# Altium PCB DesignProject_V1_0.PcbDoc (part 2 of 2)
Units mm, origin at the board's own origin, x right, y up, seen from the top; angles counter-clockwise.
Board outline 86.3 x 50.27 mm, 4 copper layers (Top Layer, MID 1, MID 2, Bottom Layer), stack 0.651 mm thick; 110 components, 93 nets, 452 pads, 182 vias.
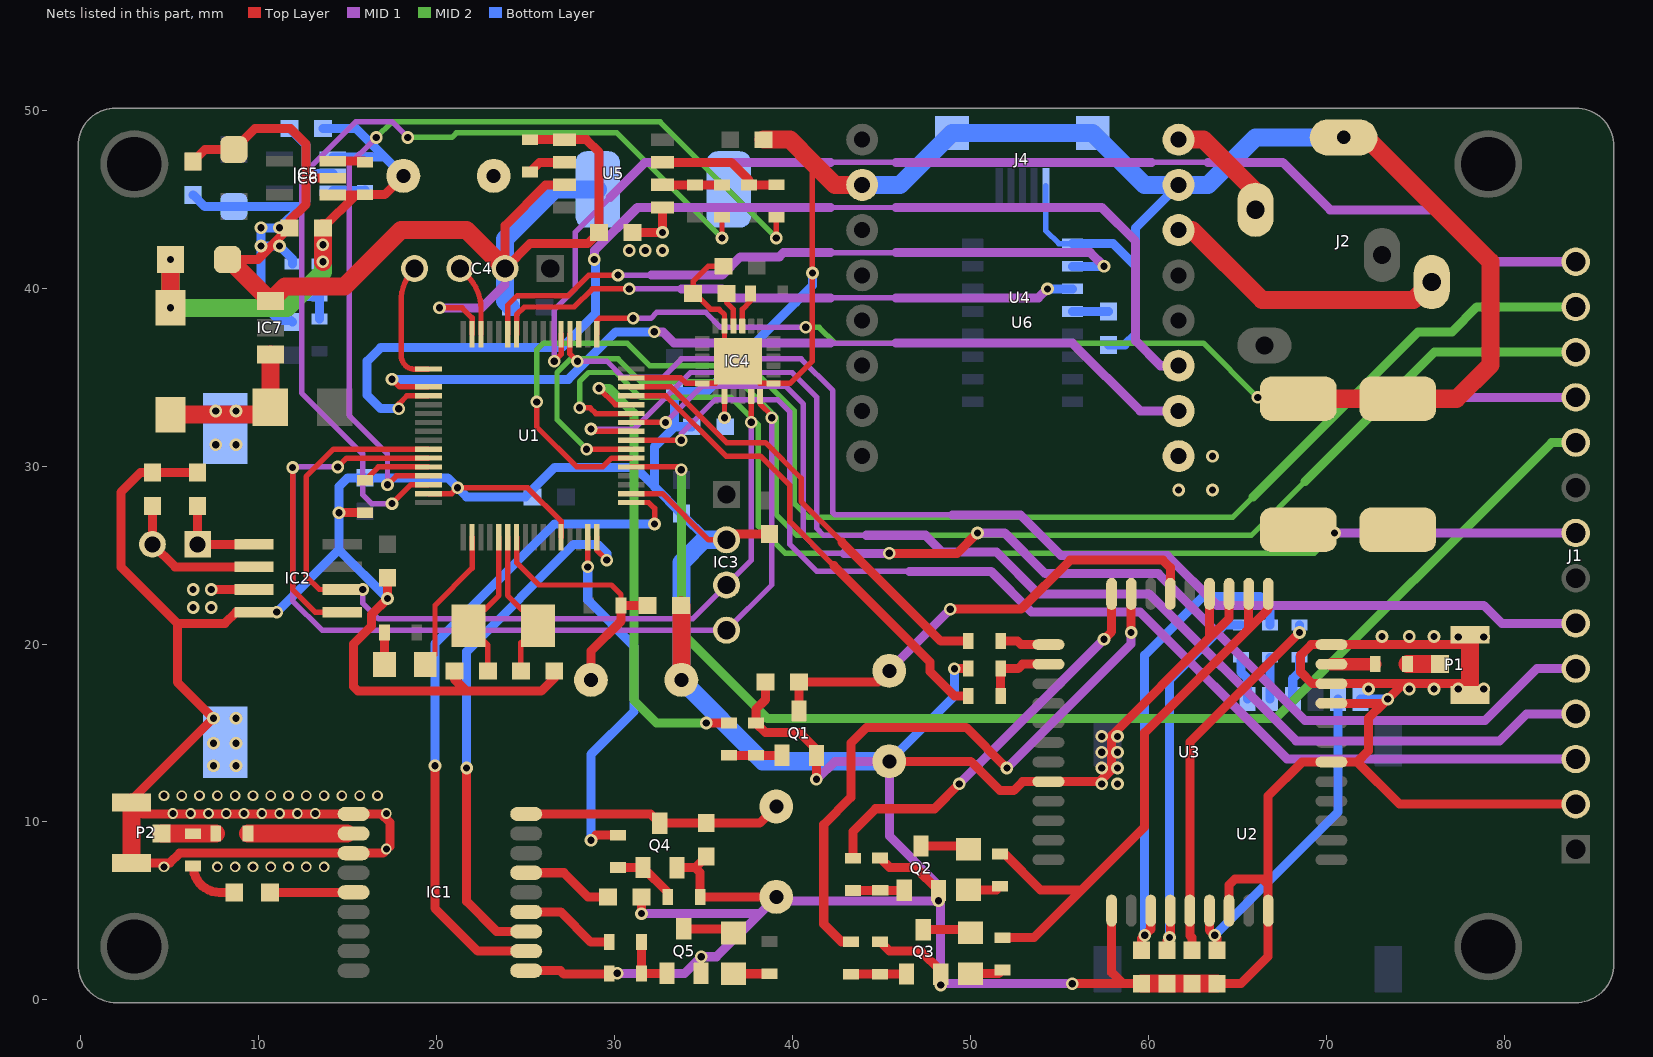
[diagram p4: the nets of this part, all layers, seen from the top]

## Via types
v1: diameter 0.711, hole 0.406, Top Layer to Bottom Layer, 51 vias
v2: diameter 0.711, hole 0.406, Top Layer to MID 1, 41 vias
v3: diameter 0.711, hole 0.406, Top Layer to MID 2, 34 vias
v4: diameter 0.6, hole 0.4, Top Layer to Bottom Layer, 32 vias
v5: diameter 0.711, hole 0.406, MID 2 to Bottom Layer, 14 vias
v6: diameter 0.711, hole 0.406, MID 1 to Bottom Layer, 4 vias
v7: diameter 0.711, hole 0.406, MID 1 to MID 2, 4 vias
v8: diameter 1.3, hole 1.3, Top Layer to Bottom Layer, 1 vias
v9: diameter 1.5, hole 1.5, Top Layer to Bottom Layer, 1 vias

## Nets (pads, with @x,y where several pads share a name; then routed paths per layer and width w, separated by ;. In a path a pad name is that pad's centre, name@x,y a point inside that pad or via, vN(x,y) a via of type N, cw(c..) or ccw(c..) an arc to the next point about the centre after c; other vN are vias at no path point) (continued)
GND: BT1.2 C1.1 C2.1 C3.1 C4.2 C5.1 C6.1 C7.1 C8.1 C9.1 C10.2 C11.2 C12.2 C13.2 C14.2 C15.2 C16.2 C17.1 C18.1 C19.1 C20.2 C21.1 C22.1 C23.1 C24.1 C25.1 C26.2 C27.2 C28.2 C29.2 C30.1 C31.2 C32.2 C33.2 C34.1 C35.2 C36.2 IC1.1 IC1.10 IC1.12 IC2.4 IC3.2 IC4.1 IC4.11 IC4.18 IC4.25 IC5.2 IC6.2 IC7.1 J1.2 J2.5 J3.2 J4.5 P1.2 P1.3 P2.2 P2.3 Q1.2 Q2.2 Q3.2 Q4.2 Q5.2 R2.1 R5.2 R11.2 R14.1 R19.2 R20.2 R22.2 R25.2 R32.1 SW1.2 SW2.2 SW3.2 U1.12 U1.18 U1.31 U1.47 U1.63 U2.5 U3.8 U3.13 U3.19 U3.21 U3.27 U3.30 U3.31 U3.33 U3.36 U3.37 U4.7 U4.10 U5.1 U5.3 U6.1 | length 608.7
  Top Layer w0.305: U1.63@19.548,28.449 20.855,28.449 v1(21.184,28.778) 25.121,28.778 26.998,26.901 U1.12@26.998,25.999 ; v2(20.168,38.89) 21.437,38.89 21.998,38.329 U1.47@21.998,37.399 ; U1.18@30.948,28.449 32.689,28.449 35.281,25.857 IC3.2@36.297,25.857 ; U1.31@30.948,34.949 33.714,34.949 34.011,34.653 34.919,34.653 IC4.18@34.932,34.64 34.932,34.653 35.694,34.653 IC4.25@36.932,35.89 ; C23.1@36.119,41.224 35.268,41.224 34.417,40.374 C25.1@34.417,39.7 34.519,39.7 35.412,38.807 35.883,38.807 36.182,38.508 IC4.11@36.182,37.865 36.182,36.64 IC4.25@36.932,35.89 ; 41.123,47.066 v1(41.123,40.843) 41.123,35.89 39.873,34.64 IC4.1@38.932,34.64 38.932,34.653 38.169,34.653 IC4.25@36.932,35.89
  Top Layer w0.508: P2.2@2.859,7.699 5.015,7.699 5.563,8.247 IC1.12@15.342,8.247 16.995,8.247 17.374,8.626 17.374,9.982 16.909,10.447 IC1.10@15.342,10.447 11.184,10.447 5.184,10.447 3.493,10.447 2.859,11.082 P2.3@2.854,11.087 2.854,11.21 v1(7.468,15.824) 5.436,17.856 5.436,21.158 ; C32.2@6.325,47.117 6.985,47.777 C31.2@8.611,47.777 9.805,48.971 11.786,48.971 12.675,48.082 12.675,46.685 ; C21.1@6.579,29.642 C22.1@4.039,29.642 3.378,29.642 2.261,28.524 2.261,24.333 5.436,21.158 ; C35.2@8.255,41.605 8.334,41.605 9.957,41.605 C28.2@11.735,43.383 11.735,43.778 12.675,44.718 12.675,46.685 ; v1(11.024,21.793) IC2.4@9.754,21.793 8.738,21.793 8.103,21.158 5.436,21.158 ; IC6.2@14.175,46.177 13.183,46.177 12.675,46.685 ; v1(14.518,27.381) R2.1@15.977,27.381 ; C36.2@17.247,23.724 v1(17.247,22.555) 16.358,21.666 16.358,21.025 15.342,20.009 15.342,17.602 15.596,17.348 21.692,17.348 ; C1.1@21.011,18.491 21.011,18.029 21.692,17.348 ; IC1.1@25.042,1.647 26.958,1.647 27.153,1.452 29.659,1.452 R25.2@29.706,1.498 v2(30.16,1.498) ; R32.1@25.248,48.336 U5.1@27.197,48.336 28.423,48.336 29.134,47.625 C30.1@29.134,43.129 28.499,42.494 25.248,42.494 C4.2@23.851,41.097 23.851,43.51 26.137,45.796 U5.3@27.197,45.796 ; C2.1@26.619,18.491 26.619,18.085 25.883,17.348 21.692,17.348 ; v2(31.521,4.851) C19.1@31.521,5.791 ; Q4.2@33.523,7.437 34.533,7.437 ; C18.1@35.154,8.057 34.533,7.437 ; IC3.2@36.297,25.857 36.627,26.187 C20.2@38.71,26.187 ; C17.1@38.486,17.856 38.486,16.871 37.947,16.332 R11.2@37.947,15.557 38.489,15.016 40.407,15.016 41.346,14.077 Q1.2@41.346,13.736 v2(41.346,12.395) ; SW3.2@39.091,5.791 R22.2@34.81,5.791 34.81,7.16 34.533,7.437 ; R20.2@44.932,3.268 45.457,2.743 47.219,2.743 48.331,1.631 Q3.2@48.331,1.452 v2(48.331,0.838) ; R19.2@44.932,7.972 45.463,7.442 46.913,7.442 Q2.2@48.204,6.151 v2(48.204,5.568) ; SW2.2@45.441,13.411 50.013,13.411 51.664,11.76 52.426,11.76 52.935,12.269 U3.8@54.382,12.269 57.253,12.269 57.932,12.948 57.932,14.853 63.432,20.353 ; v1(49.099,18.615) R14.1@49.886,18.615 ; v2(55.728,0.914) 58.572,0.914 ; U3.13@57.932,5.019 57.932,1.555 58.572,0.914 ; C12.2@59.624,0.914 58.572,0.914 ; U3.37@63.432,22.819 63.432,20.353 ; C11.2@63.856,0.914 65.202,0.914 66.732,2.444 U3.21@66.732,5.019 66.732,6.471 ; U3.19@64.532,5.019 64.532,6.467 64.872,6.807 66.396,6.807 66.732,6.471 ; U3.36@64.532,22.819 64.532,21.453 63.432,20.353 ; U3.30@70.282,16.669 v1@73.21,16.669 ; P1.3@78.072,17.13 78.072,17.355 77.659,17.769 74.31,17.769 ; P1.2@78.072,20.512 P1.2@78.067,20.517 77.519,19.969 74.651,19.969 U3.33@70.282,19.969 69.144,19.969 68.555,19.38 68.555,18.428 69.213,17.769 U3.31@70.282,17.769 74.31,17.769 ; J1.2@84.016,10.998 74.115,10.998 71.744,13.369 ; 66.732,6.471 66.732,11.461 68.64,13.369 U3.27@70.282,13.369 71.744,13.369 ; 71.744,13.369 72.365,13.99 72.365,15.824 v1@73.21,16.669 ; v1@73.21,16.669 v1(73.446,16.905) 74.31,17.769
  Top Layer w1.016: P2.2@2.859,7.699 P2.3@2.859,11.082 ; C35.2@8.334,41.605 IC7.1@10.668,39.271 11.478,40.081 14.834,40.081 18.009,43.256 21.692,43.256 C4.2@23.851,41.097 ; C3.1@33.731,22.174 33.757,22.149 SW1.2@33.757,17.983 ; C29.2@38.379,48.336 39.853,48.336 41.123,47.066 42.393,45.796 U4.10@43.917,45.796 ; C12.2@59.624,0.914 C13.2@61.034,0.914 C14.2@62.445,0.914 C11.2@63.856,0.914 ; C15.2@68.428,33.782 C16.2@74.016,33.782 77.318,33.782 79.223,35.687 79.223,41.478 72.238,48.463 J2.5@70.968,48.463 ; P1.3@78.072,17.355 78.072,20.396 P1.2@78.072,20.512
  MID 1 w0.508: v2(20.168,38.89) 22.533,38.89 23.851,40.208 C4.2@23.851,41.097 ; v2(30.16,1.498) 33.941,1.498 v2(34.869,2.427) 35.726,2.427 38.151,4.851 ; v2(31.521,4.851) 38.151,4.851 ; v2(41.346,12.395) 41.377,12.395 42.393,13.411 SW2.2@45.441,13.411 45.441,9.22 48.204,6.457 v2(48.204,5.568) ; v2(55.728,0.914) 48.407,0.914 v2(48.331,0.838) 48.331,5.441 v2(48.204,5.568) ; 38.151,4.851 SW3.2@39.091,5.791 39.314,5.568 v2(48.204,5.568)
  Bottom Layer w0.305: J4.5@54.241,45.749 54.241,43.218 54.966,42.494 U6.1@55.737,42.494
  Bottom Layer w0.508: C27.2@6.325,45.237 6.985,44.577 C26.2@8.611,44.577 12.369,44.577 ; v1(11.024,21.793) 14.518,25.288 ; C33.2@11.735,48.971 12.675,48.031 12.675,46.812 ; C10.2@11.913,38.1 11.836,38.176 11.175,38.176 10.135,39.216 v1(10.135,42.367) ; R5.2@11.913,41.351 11.913,41.629 v1(11.175,42.367) v1(10.135,42.367) ; IC5.2@14.175,46.425 13.061,46.425 12.675,46.812 ; v1(17.247,22.555) 17.247,22.559 14.518,25.288 ; C24.1@34.341,32.207 33.376,32.207 ; 35.23,25.857 C8.1@33.757,27.33 32.252,28.835 ; v1(41.123,40.843) 41.123,40.132 40.189,39.199 35.179,34.188 C9.1@33.376,34.188 33.376,32.207 ; SW2.2@45.441,13.411 49.099,17.069 v1(49.099,18.615) ; U6.1@55.737,42.494 58.014,42.494 59.284,41.224 ; C34.1@57.76,36.805 58.674,36.805 59.284,37.414 59.284,41.224 ; U4.7@61.697,45.796 59.284,43.383 59.284,41.224 ; U2.5@71.922,16.905 v1(73.446,16.905) ; v1(10.135,42.367) v1(10.135,43.383) v1(11.175,43.383) 12.369,44.577 ; 12.369,44.577 12.675,44.883 12.675,46.812 ; 14.518,25.288 v1(14.518,27.381) 14.518,28.844 15.011,29.337 C6.1@15.977,29.337 20.625,29.337 v1(21.184,28.778) 21.692,28.27 24.994,28.27 26.645,29.921 31.166,29.921 32.252,28.835 ; 32.252,28.835 32.252,31.083 33.376,32.207
  Bottom Layer w1.016: C7.1@24.181,38.938 23.851,39.268 C4.2@23.851,41.097 23.851,42.748 26.645,45.542 J3.2@29.058,45.542 ; IC3.2@36.297,25.857 35.23,25.857 35.027,25.857 33.757,24.587 SW1.2@33.757,17.983 38.329,13.411 SW2.2@45.441,13.411 ; U4.10@43.917,45.796 46.05,45.796 J4.5@48.971,48.717 J4.5@56.871,48.717 59.792,45.796 U4.7@61.697,45.796 63.348,45.796 66.015,48.463 J2.5@70.968,48.463
  other v1: 7.468,13.157 8.738,13.157 7.468,14.42 8.738,14.427 8.738,15.824 72.365,17.475 74.651,17.475 76.048,17.475 77.404,17.475 78.842,17.475 77.404,20.396 78.842,20.396 73.127,20.425 74.651,20.425 76.048,20.425
  other v2: 57.379,12.141 58.268,12.141 57.379,13.03 58.268,13.03 57.379,13.919 58.268,13.919 57.379,14.808 58.268,14.808
  other v4: 4.684,7.48 7.684,7.48 8.684,7.48 9.684,7.48 10.684,7.48 11.684,7.48 12.684,7.48 13.684,7.48 17.184,8.48 5.184,10.48 6.184,10.48 7.184,10.48 8.184,10.48 9.184,10.48 10.184,10.48 11.184,10.48 12.184,10.48 13.184,10.48 17.184,10.48 4.684,11.48 5.684,11.48 6.684,11.48 7.684,11.48 8.684,11.48 9.684,11.48 10.684,11.48 11.684,11.48 12.684,11.48 13.684,11.48 14.684,11.48 15.684,11.48 16.684,11.48
GPS_RX1: IC1.3 U1.16 | length 30.6
  Top Layer w0.305: U1.16@28.998,25.999 28.998,25.282 v1(29.566,24.714)
  Top Layer w0.508: v1(21.692,13.03) 21.692,5.537 23.382,3.847 IC1.3@25.042,3.847
  Bottom Layer w0.508: v1(21.692,13.03) 21.692,19.573 27.722,25.603 29.058,25.603 29.566,25.095 v1(29.566,24.714)
GPS_TX1: IC1.2 U1.17 | length 38.4
  Top Layer w0.305: U1.17@30.948,27.949 31.919,27.949 32.252,27.616 v1(32.252,26.746)
  Top Layer w0.508: v1(19.914,13.157) 19.914,5.156 22.323,2.747 IC1.2@25.042,2.747
  Bottom Layer w0.508: v1(19.914,13.157) 19.914,20.015 26.645,26.746 v1(32.252,26.746)
LED: LED1.2 U1.2 | length 8.2
  Top Layer w0.305: LED1.2@19.365,18.849 19.914,19.398 19.914,22.174 21.998,24.258 U1.2@21.998,25.999
MISO1: J1.13 U1.22 | length 81.3
  Top Layer w0.305: v3(25.629,33.604) 25.629,32.207 27.887,29.949 29.34,29.949 29.84,30.449 U1.22@30.948,30.449
  MID 2 w0.305: v3(25.629,33.604) 25.629,36.525 26.01,36.906 30.709,36.906 31.979,35.636 37.567,35.636 40.107,33.096 40.107,27.889 40.869,27.127 64.745,27.127 65.888,28.27
  MID 2 w0.508: 65.888,28.27 75.159,37.541 77.064,37.541 78.461,38.938 J1.13@84.016,38.938
MISO2: U1.35
MOSI1: J1.12 U1.23 | length 76.6
  Top Layer w0.305: v3(28.435,30.949) U1.23@30.948,30.949
  MID 2 w0.305: v3(28.435,30.949) 26.772,32.612 26.772,35.255 27.534,36.017 30.201,36.017 31.471,34.747 37.059,34.747 39.091,32.715 39.091,27.254 40.234,26.111 65.784,26.111 68.809,29.136
  MID 2 w0.508: 68.809,29.136 76.071,36.398 J1.12@84.016,36.398
MOSI2: J1.6 U1.36 | length 68.7
  Top Layer w0.305: U1.36@27.498,37.399 27.498,36.307 v2(27.915,35.89)
  MID 1 w0.305: v2(27.915,35.89) 29.566,35.89 30.455,35.001 32.741,35.001 33.757,36.017 40.488,36.017 42.266,34.239 42.266,27.381 42.393,27.254 48.997,27.254
  MID 1 w0.508: 48.997,27.254 52.807,27.254 55.093,24.968 61.062,24.968 63.856,22.174 78.842,22.174 79.858,21.158 J1.6@84.016,21.158
MP3_RX: U1.51 U4.2 | length 49.4
  Top Layer w0.305: v1(17.501,34.874) 17.926,34.449 U1.51@19.548,34.449
  MID 1 w0.305: 42.139,36.906 45.822,36.906
  MID 1 w0.508: v6(32.233,37.541) 32.715,37.541 33.35,36.906 42.139,36.906 ; 45.822,36.906 55.728,36.906 59.538,33.096 U4.2@61.697,33.096
  Bottom Layer w0.508: v1(17.501,34.874) 27.407,34.874 30.074,37.541 v6(32.233,37.541)
MP3_TX: U1.52 U4.3 | length 64.4
  Top Layer w0.305: v1(17.882,33.223) 17.882,33.497 18.334,33.949 U1.52@19.548,33.949
  MID 1 w0.305: 42.139,44.526 45.822,44.526
  MID 1 w0.508: v6(28.867,41.605) 28.867,42.1 31.293,44.526 42.139,44.526 ; 45.822,44.526 57.379,44.526 59.284,42.621 59.284,37.033 60.681,35.636 U4.3@61.697,35.636
  Bottom Layer w0.508: v1(17.882,33.223) 16.866,33.223 16.104,33.985 16.104,35.89 16.866,36.652 27.026,36.652 28.931,38.557 28.931,41.542 v6(28.867,41.605)
MPU_ADDR: IC4.9 R26.1 | length 2
  Top Layer w0.305: IC4.9@37.182,37.865 37.182,38.807 37.643,39.268 R26.1@37.643,39.7
NetBT1_1: BT1.1 IC2.3 | length 2.4
  Top Layer w0.508: v3(7.341,23.063) IC2.3@9.754,23.063
  other v3: 6.325,22.047 7.341,22.047 6.325,23.063
  other v5: 7.595,31.191 8.738,31.191 7.595,33.096 8.738,33.096
NetC19_2: C19.2 IC1.6 | length 5.2
  Top Layer w0.508: IC1.6@25.042,7.147 27.153,7.147 28.509,5.791 C19.2@29.642,5.791
NetC21_2: C21.2 IC2.1 Y2.1 | length 5.3
  Top Layer w0.508: C21.2@6.579,27.762 Y2.1@6.579,25.603 IC2.1@9.754,25.603
NetC22_2: C22.2 IC2.2 Y2.2 | length 8.4
  Top Layer w0.508: C22.2@4.039,27.762 Y2.2@4.039,25.603 5.309,24.333 IC2.2@9.754,24.333
NetC24_2: C24.2 IC4.20 | length 1.2
  Top Layer w0.305: v1(36.182,32.715) IC4.20@36.182,33.915
NetC25_2: C25.2 IC4.10 | length 2
  Top Layer w0.305: C25.2@36.297,39.7 36.297,39.192 36.682,38.807 IC4.10@36.682,37.865
NetC34_2: C34.2 U6.4 | length 2
  Bottom Layer w0.508: U6.4@55.737,38.684 C34.2@57.76,38.684
NetD1_1: D1.1 IC7.3 L2.2 | length 8.8
  Top Layer w1.016: L2.2@5.055,32.89 10.259,32.89 D1.1@10.668,33.299 IC7.3@10.668,36.271
NetFB1_1: FB1.1 P1.1 | length 1.8
  Top Layer w1.016: FB1.1@74.561,18.869 P1.1@76.379,18.869
NetFB1_2: FB1.2 U3.32 | length 2.5
  Top Layer w0.7: U3.32@70.282,18.869 FB1.2@72.746,18.869
NetFB2_1: FB2.1 FB3.1 P2.1 | length 3
  Top Layer w1.016: P2.1@4.547,9.347 FB2.1@7.595,9.347
NetFB2_2: FB2.2 IC1.11 | length 5.9
  Top Layer w0.508: IC1.11@14.961,9.347 IC1.11@15.342,9.347
  Top Layer w1.016: FB2.2@9.41,9.347 IC1.11@14.96,9.347
NetFB3_2: FB3.2 L1.1 | length 3.2
  Top Layer w0.508: FB3.2@6.325,7.531 ccw(c7.811,7.531) 7.811,6.045 L1.1@8.636,6.045
NetIC5_3: IC5.3 R27.1 | length 1.8
  Bottom Layer w0.508: IC5.3@14.175,45.475 15.947,45.475 R27.1@15.976,45.504
NetIC6_3: IC6.3 R33.1 | length 1.8
  Top Layer w0.508: IC6.3@14.175,47.127 15.916,47.127 R33.1@15.977,47.066
NetJ1_3: J1.3 U1.24 | length 67
  Top Layer w0.305: U1.24@30.948,31.449 30.952,31.445 v2(33.757,31.445)
  MID 1 w0.305: v2(33.757,31.445) 33.757,31.826 35.662,33.731 39.167,33.731 39.853,33.045 39.853,25.603 41.377,24.079 46.584,24.079
  MID 1 w0.508: 46.584,24.079 51.156,24.079 53.442,21.793 59.538,21.793 67.793,13.538 J1.3@84.016,13.538
NetJ1_4: J1.4 U1.25 | length 72.5
  Top Layer w0.305: v2(28.677,32.08) 28.808,31.949 U1.25@30.948,31.949
  MID 1 w0.305: v2(28.677,32.08) 31.09,32.08 34.265,35.255 39.98,35.255 41.377,33.858 41.377,26.492 41.758,26.111 44.171,26.111
  MID 1 w0.508: 44.171,26.111 47.473,26.111 48.425,25.159 51.473,25.159 53.823,22.809 60.046,22.809 68.301,14.554 79.731,14.554 81.255,16.078 J1.4@84.016,16.078
NetJ1_5: J1.5 U1.26 | length 68.2
  Top Layer w0.305: U1.26@30.948,32.449 v2(32.873,32.449)
  Top Layer w0.508: v2(45.441,25.095) 49.251,25.095 v2(50.394,26.238)
  MID 1 w0.305: v2(32.873,32.449) 34.917,34.493 39.599,34.493 40.615,33.477 40.615,26.111 41.631,25.095 42.901,25.095
  MID 1 w0.508: 42.901,25.095 v2(45.441,25.095) ; v2(50.394,26.238) 51.918,26.238 54.204,23.952 60.554,23.952 68.809,15.697 78.904,15.697 81.825,18.618 J1.5@84.016,18.618
NetJ1_8: J1.8 U1.27 | length 68.7
  Top Layer w0.305: v3(28.042,33.272) 28.628,33.272 28.951,32.949 U1.27@30.948,32.949
  MID 1 w0.508: v7(70.46,26.238) J1.8@84.016,26.238
  MID 2 w0.305: v3(28.042,33.272) 28.042,34.747 28.55,35.255 30.074,35.255 31.471,33.858 36.551,33.858 38.075,32.334 38.075,26.619 39.599,25.095 69.317,25.095 v7(70.46,26.238)
NetJ1_11: J1.11 U1.33 | length 57.9
  Top Layer w0.305: U1.33@28.998,37.399 28.998,38.135 29.166,38.303 v2(31.045,38.303)
  MID 1 w0.305: v2(31.045,38.303) 32.04,38.303 32.37,38.633 35.128,38.633 35.966,37.795 v7(40.742,37.795)
  MID 1 w0.508: v7(66.142,33.858) J1.11@84.016,33.858
  MID 2 w0.305: v7(40.742,37.795) 41.504,37.795 42.393,36.906 63.094,36.906 v7(66.142,33.858)
NetJ1_14: J1.14 U1.37 | length 69.6
  Top Layer w0.305: v2(26.619,35.89) 26.998,36.269 U1.37@26.998,37.399
  MID 1 w0.305: v2(26.619,35.89) 26.619,38.786 27.788,39.954 27.788,43.129 29.756,45.098 ; 42.139,47.066 45.822,47.066 ; 60.173,47.066 63.348,47.066
  MID 1 w0.508: 29.756,45.098 31.725,47.066 42.139,47.066 ; 45.822,47.066 60.173,47.066 ; 63.348,47.066 67.539,47.066 70.206,44.399 76.302,44.399 79.223,41.478 J1.14@84.016,41.478
NetLED1_1: LED1.1 R6.2 | length 1.8
  Top Layer w0.508: LED1.1@17.079,18.849 R6.2@17.079,20.65
NetLED2_1: LED2.1 R15.1 | length 1.9
  Top Layer w0.508: LED2.1@49.886,6.182 51.46,6.182 R15.1@51.664,6.385
NetLED2_2: LED2.2 Q2.3 | length 2.7
  Top Layer w0.508: Q2.3@47.224,8.651 49.702,8.651 LED2.2@49.886,8.468
NetLED3_1: LED3.1 R16.1 | length 1.9
  Top Layer w0.508: LED3.1@50.013,1.483 51.587,1.483 R16.1@51.791,1.686
NetLED3_2: LED3.2 Q3.3 | length 2.7
  Top Layer w0.508: Q3.3@47.351,3.952 49.829,3.952 LED3.2@50.013,3.769
NetLED4_1: LED4.1 R23.1 | length 2
  Top Layer w0.508: LED4.1@36.678,1.473 R23.1@38.71,1.473
NetLED4_2: LED4.2 Q5.3 | length 2.9
  Top Layer w0.508: Q5.3@33.889,3.993 36.444,3.993 LED4.2@36.678,3.759
NetQ1_1: Q1.1 R10.2 R11.1 | length 3
  Top Layer w0.508: R10.2@36.424,13.741 R11.1@37.948,13.741 Q1.1@39.421,13.741
NetQ2_1: Q2.1 R17.2 R19.1 | length 2.9
  Top Layer w0.508: R17.2@43.409,6.151 43.414,6.157 R19.1@44.933,6.157 Q2.1@46.279,6.157
NetQ3_1: Q3.1 R18.2 R20.1 | length 3.1
  Top Layer w0.508: R18.2@43.282,1.452 43.287,1.458 Q3.1@46.406,1.458
NetQ4_1: Q4.1 R21.2 R22.1 | length 3.6
  Top Layer w0.508: R21.2@30.201,7.442 Q4.1@31.598,7.442 32.995,6.045 R22.1@32.995,5.791
NetQ5_1: Q5.1 R24.2 R25.1 | length 3.2
  Top Layer w0.508: R24.2@31.521,3.251 R25.1@31.521,1.499 Q5.1@32.944,1.499
NetR2_2: R2.2 U1.60 | length 3.9
  Top Layer w0.305: R2.2@15.976,29.197 16.729,29.949 U1.60@19.548,29.949
NetR3_2: R3.2 R4.2 R5.1 | length 2.8
  Bottom Layer w0.508: R5.1@11.913,39.535 R3.2@13.436,39.535 R4.2@13.437,38.266
NetR7_1: R7.1 U2.7 | length 2.3
  Bottom Layer w0.508: U2.7@66.842,16.905 R7.1@66.842,19.253
NetR8_1: R8.1 U2.3 | length 2.5
  Bottom Layer w0.508: R8.1@65.191,19.253 65.191,18.426 65.572,18.045 U2.3@65.572,16.905
NetR9_1: R9.1 U2.2 | length 2.5
  Bottom Layer w0.508: U2.2@68.112,16.905 68.112,18.048 68.493,18.429 R9.1@68.493,19.253
NetR10_1: R10.1 U1.28 | length 26.7
  Top Layer w0.305: v3(29.134,34.366) 30.051,33.449 U1.28@30.948,33.449
  Top Layer w0.508: v3(35.154,15.557) R10.1@36.423,15.557
  MID 2 w0.508: v3(29.134,34.366) 29.693,34.366 31.09,32.969 31.09,16.84 32.373,15.557 v3(35.154,15.557)
NetR21_1: R21.1 U1.15 | length 20.7
  Top Layer w0.305: v1(28.498,24.333) U1.15@28.498,25.999
  Top Layer w0.508: v1(28.677,8.969) 28.966,9.258 R21.1@30.2,9.258
  Bottom Layer w0.508: v1(28.498,24.333) 28.498,22.48 31.09,19.888 31.09,16.205 28.677,13.792 v1(28.677,8.969)
NetR28_2: R28.2 R30.1 U5.6 | length 3.3
  Top Layer w0.508: U5.6@32.697,45.796 R28.2@34.519,45.796 R30.1@36.043,45.796
NetR29_2: R29.2 R31.1 U5.7 | length 7.1
  Top Layer w0.508: U5.7@32.697,47.066 36.551,47.066 37.567,46.05 R29.2@37.567,45.796 R31.1@39.091,45.796
NetR30_2: R30.2 U1.62 | length 52.6
  Top Layer w0.305: v2(17.501,27.889) 18.561,28.949 U1.62@19.548,28.949 ; v3(36.043,42.812) R30.2@36.043,43.98
  MID 1 w0.305: v2(17.501,27.889) 16.358,27.889 15.85,28.397 15.85,30.683 12.421,34.112 12.421,46.304 15.469,49.352 17.501,49.352 v3(18.39,48.463)
  MID 2 w0.305: v3(18.39,48.463) 20.864,48.463 21.118,48.717 30.137,48.717 v3(36.043,42.812)
NetR31_2: R31.2 U1.61 | length 50
  Top Layer w0.305: v2(17.247,28.949) 17.747,29.449 U1.61@19.548,29.449 ; v3(39.091,42.812) R31.2@39.091,43.98
  MID 1 w0.305: v3@16.421,48.273 15.088,46.939 15.088,32.842 17.247,30.683 v2(17.247,28.949)
  MID 2 w0.305: v3(16.612,48.463) 17.488,49.34 32.563,49.34 v3(39.091,42.812)
NetR32_2: R32.2 U5.2 | length 2.2
  Top Layer w0.508: R32.2@25.248,46.52 25.794,47.066 U5.2@27.197,47.066
NL: R18.1 U3.41 | length 35.5
  Top Layer w0.508: R18.1@43.281,3.268 42.757,3.268 41.758,4.267 41.758,9.855 43.282,11.379 43.282,14.427 44.171,15.316 49.762,15.316 v2(52.048,13.03) ; v2(59.03,20.65) 59.032,20.652 U3.41@59.032,22.819
  MID 1 w0.508: v2(52.048,13.03) 59.03,20.012 v2(59.03,20.65)
nRTS: C3.2 R1.2 SW1.1 U1.7 | length 15
  Top Layer w0.305: U1.7@24.498,25.999 24.498,24.575 25.756,23.317 29.83,23.317 30.365,22.781 R1.2@30.365,22.174
  Top Layer w0.508: SW1.1@28.677,17.983 28.677,19.596 30.365,21.285 R1.2@30.365,22.174 C3.2@31.852,22.174
PPS: IC1.4 R24.1 | length 5.4
  Top Layer w0.508: IC1.4@25.042,4.947 26.981,4.947 28.677,3.251 R24.1@29.706,3.251
PWRK: C17.2 Q1.3 SW2.1 U3.39 | length 27
  Top Layer w0.508: Q1.3@40.366,16.236 C17.2@40.366,17.856 44.806,17.856 SW2.1@45.441,18.491 ; v2(48.87,21.956) 52.843,21.956 55.601,24.714 60.808,24.714 61.232,24.29 U3.39@61.232,22.819
  MID 1 w0.508: SW2.1@45.441,18.491 45.441,18.527 v2(48.87,21.956)
RST: C18.2 IC1.9 Q4.3 SW3.1 | length 14.6
  Top Layer w0.508: IC1.9@25.042,10.447 32.032,10.447 Q4.3@32.543,9.937 C18.2@35.154,9.937 38.156,9.937 SW3.1@39.091,10.871
RX1: U1.43 U6.2 | length 38.4
  Top Layer w0.305: U1.43@23.998,37.399 23.998,39.034 24.536,39.573 27.407,39.573 28.563,40.729 v2(30.201,40.729)
  MID 1 w0.305: v2(30.201,40.729) 32.093,40.729 ; 42.139,41.986 45.822,41.986
  MID 1 w0.508: 32.093,40.729 36.043,40.729 37.071,41.758 39.258,41.758 39.486,41.986 42.139,41.986 ; 45.822,41.986 56.744,41.986 v6(57.506,41.224)
  Bottom Layer w0.508: U6.2@55.737,41.224 v6(57.506,41.224)
RX3: R12.1 U1.30 | length 25.6
  Top Layer w0.305: U1.30@30.948,34.449 33.166,34.449 36.297,31.318 38.484,31.318 40.488,29.314 40.488,28.016 42.774,25.73
  Top Layer w0.508: 42.774,25.73 48.339,20.165 R12.1@49.886,20.165
SCK1: J1.10 U1.21 | length 70.7
  Top Layer w0.305: U1.21@30.948,29.949 33.602,29.949 v3(33.757,29.794)
  MID 2 w0.508: v3(33.757,29.794) 33.757,20.65 38.583,15.824 67.158,15.824 82.652,31.318 J1.10@84.016,31.318
SCL: IC2.6 IC3.3 IC4.23 U1.58 | length 50.1
  Top Layer w0.305: v2(15.85,23.063) IC2.6@14.704,23.063 13.418,23.063 12.675,23.807 12.675,29.413 14.211,30.949 U1.58@19.548,30.949 ; v2(37.682,32.461) IC4.23@37.682,33.915
  MID 1 w0.305: v2(15.85,23.063) 15.85,22.301 16.739,21.412 34.392,21.412 IC3.3@36.297,23.317 37.682,24.702 v2(37.682,32.461)
SDA: IC2.5 IC3.4 IC4.24 U1.59 | length 65.1
  Top Layer w0.305: v2(11.913,29.921) 11.913,23.063 13.183,21.793 IC2.5@14.704,21.793 ; v2(14.453,29.949) 14.953,30.449 U1.59@19.548,30.449 ; IC4.24@38.182,33.915 38.182,33.497 38.837,32.842 v2(38.837,32.715)
  MID 1 w0.305: v2(14.453,29.949) 11.941,29.949 v2(11.913,29.921) 11.913,22.428 13.564,20.777 IC3.4@36.297,20.777 38.837,23.317 v2(38.837,32.715)
SIM_CLK: C13.1 R8.2 U3.16 | length 22.1
  Top Layer w0.508: C13.1@61.034,2.794 61.034,3.351 v1(61.189,3.505) 61.232,3.548 U3.16@61.232,5.019
  Bottom Layer w0.508: v1(61.189,3.505) 61.189,17.983 64.274,21.069 R8.2@65.191,21.069
SIM_DATA: C12.1 R7.2 U3.15 | length 27.9
  Top Layer w0.508: C12.1@59.624,2.794 59.624,3.464 v1(59.792,3.632) 60.132,3.972 U3.15@60.132,5.019
  Bottom Layer w0.508: v1(59.792,3.632) 59.792,19.38 63.094,22.682 66.269,22.682 66.842,22.109 R7.2@66.842,21.069
SIM_RST: C14.1 R9.2 U3.17 | length 20.9
  Top Layer w0.508: C14.1@62.445,2.794 62.445,3.505 62.332,3.619 U3.17@62.332,5.019 62.332,14.489 v1(68.493,20.65)
  Bottom Layer w0.508: v1(68.493,20.65) R9.2@68.493,21.069
SIM_RX: R13.2 R14.2 U3.2 | length 4.3
  Top Layer w0.508: R13.2@51.701,17.091 R14.2@51.701,18.615 52.677,18.615 52.931,18.869 U3.2@54.382,18.869
SIM_TX: R12.2 U3.1 | length 2.8
  Top Layer w0.508: R12.2@51.701,20.165 52.657,20.165 52.853,19.969 U3.1@54.382,19.969
SIM_VDD: C11.1 U2.1 U3.18 | length 18.5
  Top Layer w0.508: U3.18@63.432,5.019 63.432,3.929 v1(63.729,3.632) 63.856,3.505 C11.1@63.856,2.794
  Bottom Layer w0.508: v1(63.729,3.632) 70.652,10.555 U2.1@70.652,16.905
SPK_L: J2.1 U4.8 | length 6.5
  Top Layer w1.016: U4.8@61.697,48.336 63.094,48.336 66.015,45.415 J2.1@66.015,44.399
SPK_R: J2.4 U4.6 | length 16.3
  Top Layer w1.016: U4.6@61.697,43.256 62.459,43.256 66.396,39.319 74.905,39.319 J2.4@75.921,40.335
STA: R17.1 U3.42 | length 22.8
  Top Layer w0.508: R17.1@43.408,7.967 43.408,9.474 44.679,10.744 47.981,10.744 v2(49.378,12.141) ; v2(57.506,20.269) 57.932,20.695 U3.42@57.932,22.819
  MID 1 w0.508: v2(49.378,12.141) v2(57.506,20.269)
SWCLK: C4.4 U1.49 | length 7.1
  Top Layer w0.305: C4.4@18.771,41.097 18.753,41.079 ccw(c20.549,39.283) 18.009,39.283 18.009,36.249 ccw(c18.876,36.249) 18.263,35.636 ccw(c18.714,36.088) 18.714,35.449 U1.49@19.548,35.449
SWDIO: C4.3 U1.46 | length 4.1
  Top Layer w0.305: C4.3@21.311,41.097 21.754,40.654 cw(c19.958,38.858) 22.498,38.858 U1.46@22.498,37.399
TX1: U1.42 U6.3 | length 33.4
  Top Layer w0.305: U1.42@24.498,37.399 24.498,38.502 24.934,38.938 27.736,38.938 28.752,39.954 v2(30.836,39.954)
  MID 1 w0.305: v2(30.836,39.954) 33.757,39.954 ; 42.139,39.446 45.822,39.446
  MID 1 w0.508: 33.757,39.954 36.043,39.954 36.551,39.446 42.139,39.446 ; 45.822,39.446 53.823,39.446 v6(54.331,39.954)
  Bottom Layer w0.508: v6(54.331,39.954) U6.3@55.737,39.954
TX3: R13.1 U1.29 | length 27.4
  Top Layer w0.305: U1.29@30.948,33.949 32.873,33.949 36.266,30.556 38.202,30.556 39.853,28.905 39.853,26.873 42.329,24.397
  Top Layer w0.508: 42.329,24.397 47.727,18.999 47.727,18.461 49.096,17.091 R13.1@49.886,17.091
VBAT: C15.1 C16.1 C30.2 J3.1 R15.2 R16.2 SW4.1 U3.34 U3.35 U4.1 U5.5 | length 37
  Top Layer w0.508: C30.2@31.013,43.129 v1(32.697,43.129) U5.5@32.697,44.526 ; R15.2@51.663,8.201 51.921,8.201 53.95,6.172 56.236,6.172 ; R16.2@51.79,3.502 53.565,3.502 56.236,6.172 ; U3.35@65.632,22.819 65.632,20.856 ; U3.34@66.732,22.819 66.732,21.956 65.632,20.856 ; 56.236,6.172 59.792,9.728 59.792,15.016 65.632,20.856
  other v1: 30.836,42.113 31.725,42.113 32.697,42.113
  other v3: 61.697,28.651 63.602,28.651 63.602,30.556
VCC_RF: IC1.14 L1.2 | length 4.7
  Top Layer w0.508: L1.2@10.643,6.045 10.645,6.047 IC1.14@15.342,6.047
VCCB: C28.1 C33.1 C35.1 IC5.1 IC6.1 L2.1 R3.1 R27.2 R33.2 SW4.2 | length 33.8
  Top Layer w0.508: C28.1@13.614,43.383 15.458,45.227 ; IC6.1@14.175,45.227 15.458,45.227 ; SW4.2@18.136,46.304 17.082,45.25 R33.2@15.977,45.25 15.954,45.227 15.458,45.227
  Top Layer w1.016: v3(5.055,38.89) v3(5.055,41.605) ; v1(13.614,41.478) v1(13.614,42.431) C28.1@13.614,43.383
  MID 2 w1.016: v3(5.055,41.605) v3(5.055,38.89) 11.611,38.89 13.614,40.894 v1(13.614,41.478) v1(13.614,42.431)
  Bottom Layer w0.508: C33.1@13.614,48.971 15.469,48.971 17.064,47.375 ; IC5.1@14.175,47.375 17.064,47.375 ; SW4.2@18.136,46.304 17.064,47.375
XI: C1.2 U1.5 Y1.2 | length 8.7
  Top Layer w0.305: C1.2@22.891,18.491 22.891,19.934 Y1.2@21.793,21.031 23.498,22.736 U1.5@23.498,25.999
XO: C2.2 U1.6 Y1.1 | length 8.6
  Top Layer w0.305: U1.6@23.998,25.999 23.998,22.738 Y1.1@25.705,21.031 24.74,20.066 C2.2@24.74,18.491
pads on no net: IC1.5 IC1.7 IC1.13 IC1.15 IC1.16 IC1.17 IC1.18 IC2.7 IC4.2 IC4.3 IC4.4 IC4.5 IC4.6 IC4.7 IC4.12 IC4.14 IC4.15 IC4.16 IC4.17 IC4.19 IC4.21 IC4.22 IC5.4 IC6.4 J1.9 J2.2 J2.3 J4.4 U1.1 U1.3 U1.4 U1.8 U1.9 U1.10 U1.11 U1.20 U1.38 U1.39 U1.40 U1.41 U1.44 U1.45 U1.50 U1.53 U1.54 U1.55 U1.56 U1.57 U2. U2.6 U3.3 U3.4 U3.5 U3.6 U3.7 U3.9 U3.10 U3.11 U3.12 U3.14 U3.20 U3.22 U3.23 U3.24 U3.25 U3.26 U3.28 U3.29 U3.38 U3.40 U4.9 U4.11 U4.12 U4.13 U4.14 U4.15 U4.16 U5.GND U6.7 U6.8 U6.9 U6.10 U6.11 U6.12 U6.13 U6.14 U6.15
copper on no net: | length 268.7
  Top Layer w0.305: 2.413,0 82.906,0 83.998,0 ccw(c83.998,2.007) 86.004,2.007 86.004,46.431 86.004,47.981 ccw(c84.023,47.981) 84.023,49.962 81.737,49.962 3.454,49.962 1.968,49.962 ccw(c1.968,48.006) 0.013,48.006 0.013,1.994 ccw(c2.007,1.994) 2.007,0 2.642,0
  other v8: 8.153,19.888
  other v9: 8.128,27.33

## Polygon pours and split planes (outlines as drawn)
GND on Top Layer "GND_L01_P038" (solid, remove dead copper, pour order 38): 0.025,49.962 0,49.936 0,0 86.03,0 86.03,49.987
GND on Top Layer "GND_L01_P032" (solid, remove dead copper, pour order 32): 79.731,21.031 79.731,16.586 68.047,16.586 68.047,21.031
GND on Top Layer "GND_L01_P030" (solid, remove dead copper, pour order 30): 1.118,6.975 1.118,12.141 18.009,12.141 18.009,6.975
VBAT on Top Layer "VBAT_L01_P004" (solid, remove dead copper, pour order 4): 31.725,44.933 33.523,44.933 33.523,41.605 30.365,41.605 30.365,44.018 31.725,44.018
GND on Top Layer "GND_L01_P024" (solid, remove dead copper, pour order 24): 63.094,24.841 64.872,24.841 64.872,21.158 58.649,14.935 58.649,11.76 55.601,11.76 55.601,12.776 56.236,12.776 56.998,13.538 56.998,15.667 63.094,21.763
VBAT on Top Layer "VBAT_L01_P000" (solid, remove dead copper, pour order 0): 65.38,21.621 65.38,24.333 65.38,28.016 60.173,28.016 60.173,31.699 77.064,31.699 77.064,21.621
3V3-2 on Top Layer "3V3-2_L01_P014" (solid, remove dead copper, pour order 14): 5.69,45.796 5.69,43.637 9.627,43.637 9.627,44.526 11.278,44.526 11.278,45.796
3V3-2 on Top Layer "3V3-2_L01_P012" (solid, remove dead copper, pour order 12): 5.69,45.796
VBAT on Top Layer "VBAT_L01_P002" (solid, remove dead copper, pour order 2): 65.38,24.079 65.38,20.65 67.031,20.65 67.031,24.079
GND on Bottom Layer "GND_L04_P028" (solid, remove dead copper, pour order 28): -0.025,49.987 -0.025,-0.051 86.081,-0.051 86.081,49.987
3V3 on Bottom Layer "3V3_L04_P010" (solid, remove dead copper, pour order 10): 5.69,46.431 5.69,49.352 10.643,49.352 10.643,47.955 11.735,47.955 11.735,46.431
VBAT on Bottom Layer "VBAT_L04_P006" (solid, remove dead copper, pour order 6): 30.455,41.605 30.455,42.748 32.106,42.748 32.106,48.209 38.583,48.209 38.583,41.605
VBAT on MID 2 "VBAT_L03_P016" (solid, remove dead copper, pour order 16): 30.328,41.605 30.328,44.018 33.122,44.018 42.52,34.62 42.52,29.159 57.633,29.159 60.173,31.699 64.618,31.699 64.618,28.016 40.996,28.016 40.996,33.604 32.995,41.605
VBAT on MID 2 "VBAT_L03_P018" (solid, remove dead copper, pour order 18): 21.438,47.955 29.185,47.955 33.503,43.637 33.503,41.605 30.328,41.605 27.407,44.526 21.438,44.526
3V3 on MID 2 "3V3_L03_P022" (solid, remove dead copper, pour order 22): 5.69,46.431 5.69,49.352 10.643,49.352 10.643,46.431
3V3-2 on MID 2 "3V3-2_L03_P020" (solid, remove dead copper, pour order 20): 5.69,45.796 5.69,43.637 9.246,43.637 9.246,45.796
NetBT1_1 on MID 2 "NETBT1_1_L03_P008" (solid, remove dead copper, pour order 8): 6.833,34.112 9.373,34.112 9.373,30.556 11.913,30.556 11.913,25.603 7.849,21.539 5.817,21.539 5.817,23.571 7.849,23.571 9.754,25.476 9.754,28.778 6.833,28.778
GND on MID 1 "GND_L02_P026" (solid, remove dead copper, pour order 26): 0.61,0.33 0.61,19.38 50.394,19.38 50.394,2.87 56.744,2.87 56.744,0.33
GND on MID 1 "GND_L02_P034" (solid, remove dead copper, pour order 34): 69.571,21.031 69.571,16.586 79.223,16.586 79.223,21.031

## Keep-outs
Keep-Out Layer:
  lines w0.254: 85.995,2.023 cw(c83.972,2.023) 83.972,0 2.032,0 cw(c2.032,2.023) 0.009,2.023 0.009,47.955 cw(c2.032,47.955) 2.032,49.978 83.981,49.978 cw(c83.981,47.955) 86.004,47.955 86.004,2.032

## Silkscreen, mask and mechanical layers (free items; w line width, h text height)
Top Overlay:
  drawing of 1621 lines, arcs and shapes, not listed
  text "DESIGN PROJECT 20212 / @Ven" at 10.16,13.233 h0.75
Bottom Overlay:
  lines w0.254: 35.027,19.257 35.027,16.467 ; 35.027,16.467 35.027,29.917 48.476,29.917 48.476,16.467 35.027,16.467